# KiCad board Lotus58_Glow_125.kicad_pcb (continued)
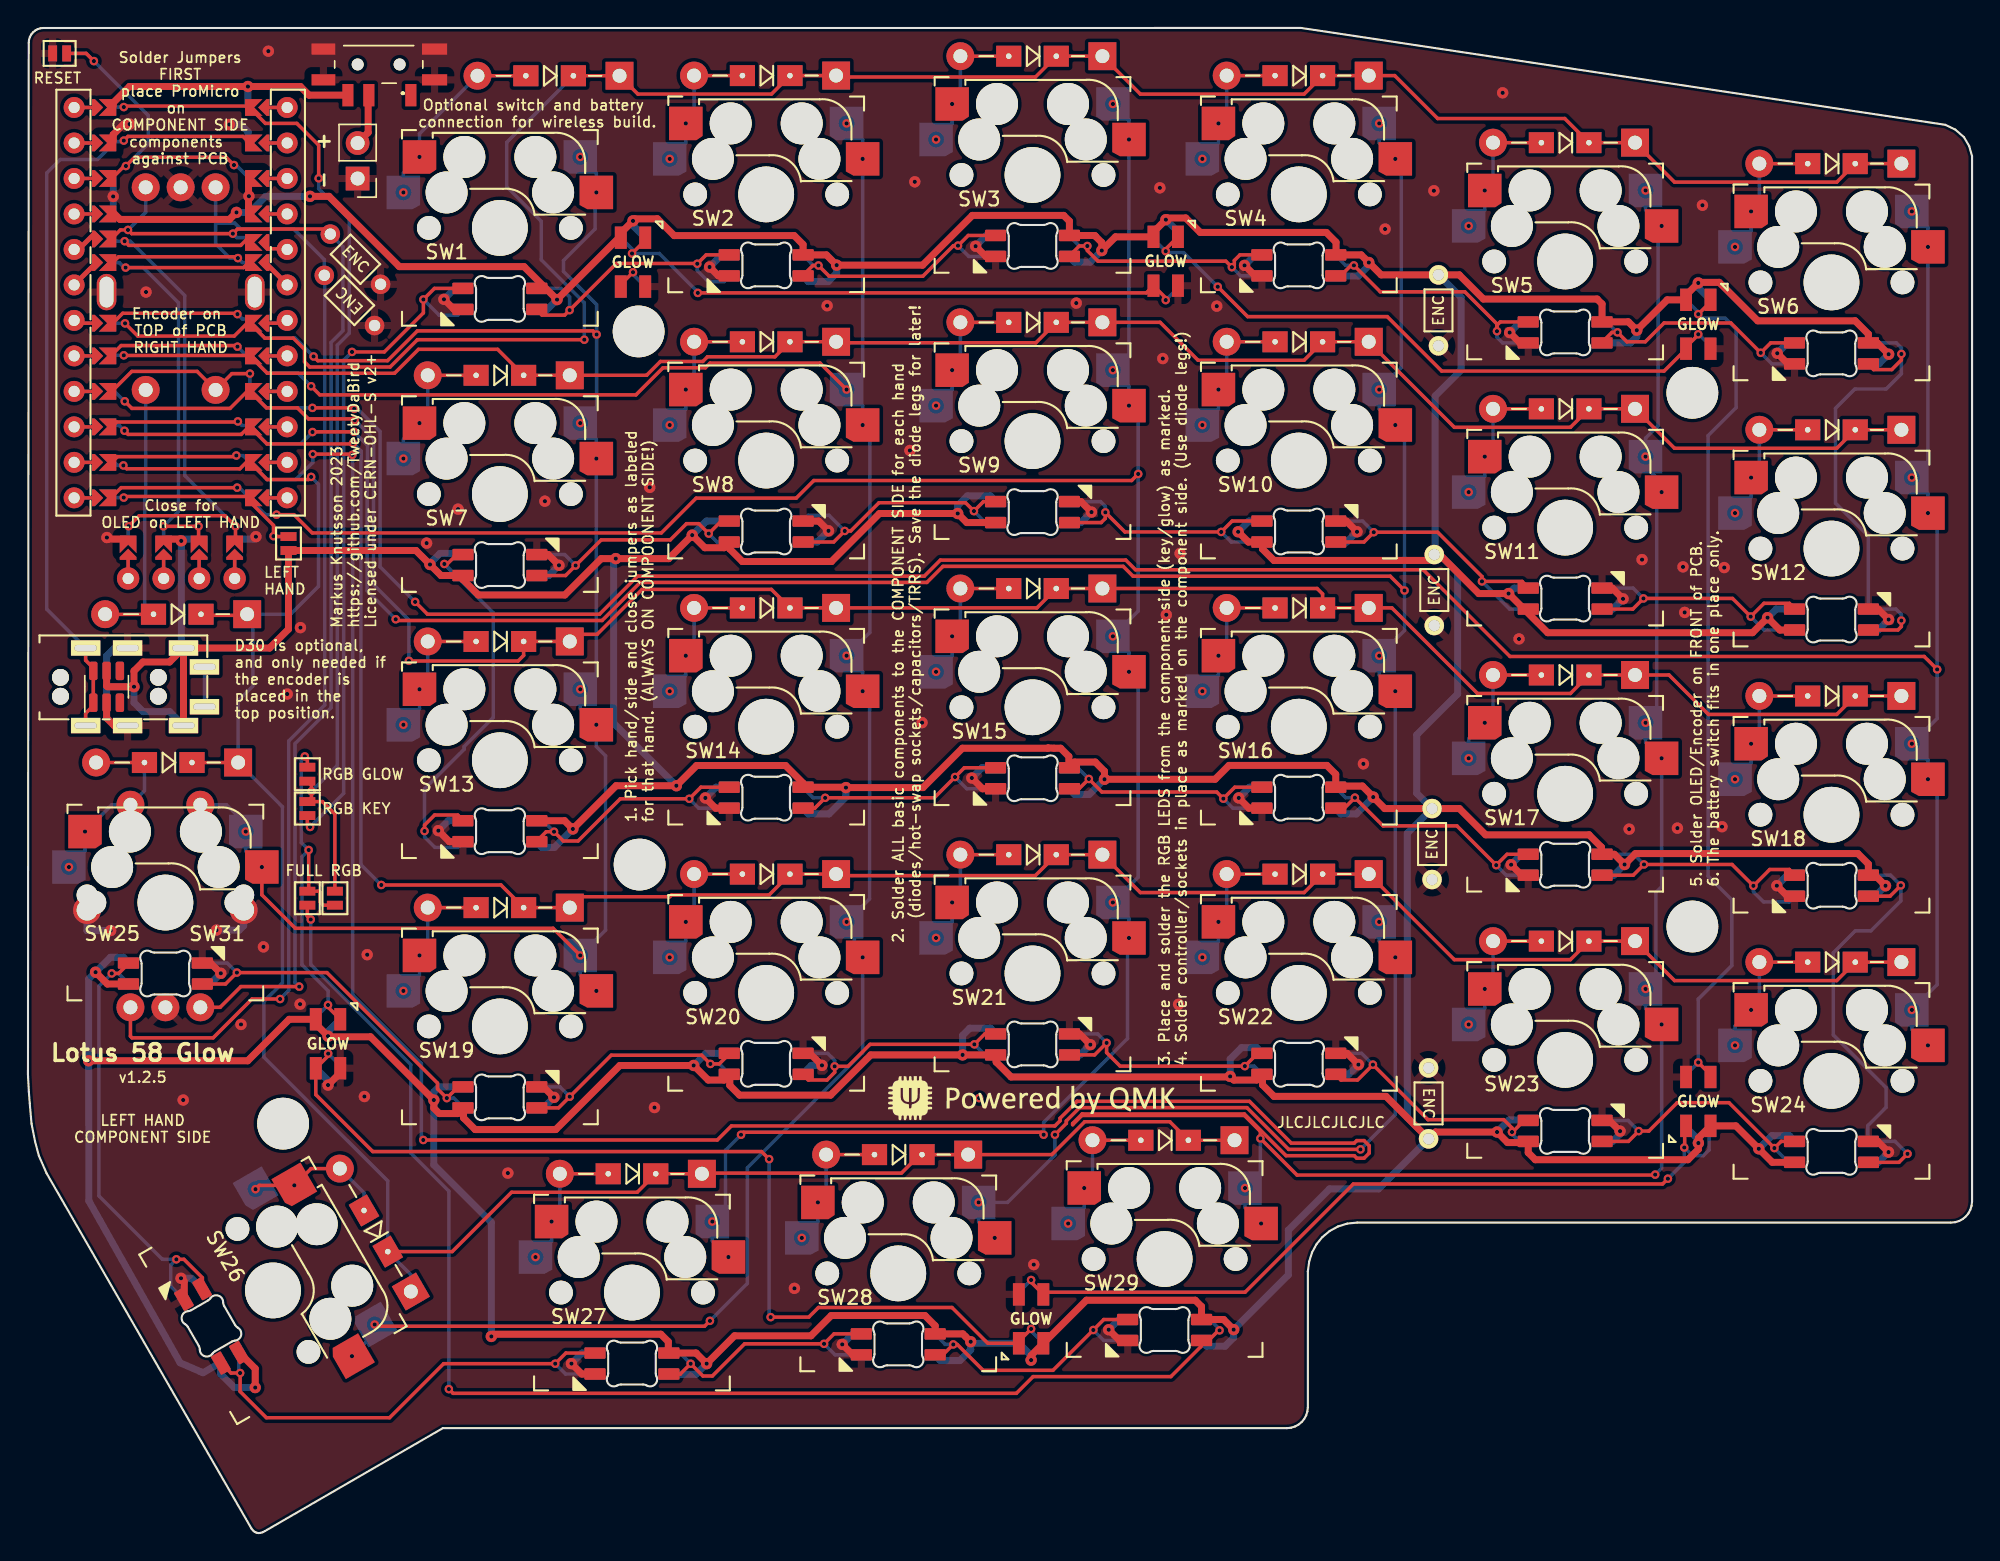
[diagram p0: board, top side]
## Routing (per net, layer and track width the routed paths; a pad name or vN(x,y) marks a point on that pad's centre or on a via; arc(x,y) is an arc through that point) (continued)
Net-(LED26-Pad2): length 35.9
  Top w0.25: 13.78,12.2 14.52,11.45 v1(15.17,11.45) 15.17,10.13 17.05,8.25 25.87,8.25 29.73,12.12 v1(37.72,12.12) 38.48,12.88 40.61,12.88
  Bottom w0.25: 40.61,11.38 38.46,11.38 v1(37.72,12.12) ; 15.08,12.95 15.08,11.55 v1(15.17,11.45)
Net-(LED27-Pad2): length 20.7
  Top w0.25: 45.81,11.37 46.66,11.37 v1(47.4,12.12) 48.28,11.24 48.96,11.24 51.26,13.54 v1(56.95,13.54) 57.66,14.26 59.65,14.26
  Bottom w0.25: v1(56.95,13.54) 57.73,12.76 59.65,12.76 ; 45.81,12.88 46.64,12.88 v1(47.4,12.12)
Net-(LED28-Pad2): length 20.3
  Top w0.25: 78.7,15.28 76.95,15.28 v1(76.2,14.53) 73.32,11.65 68.32,11.65 66.47,13.5 v1(66.19,13.5) 65.44,12.76
  Bottom w0.25: v1(66.19,13.5) 65.61,13.5 64.85,14.26 ; 78.7,13.78 76.96,13.78 v1(76.2,14.53)
Net-(LED30-Pad1): length 71.9
  Top w0.25: LED31.3 68.65,13.58 66.1,16.14 56.54,16.14 55.85,15.45 v1(53.12,15.45) ; v1(21.47,34.32) 21.47,34.16 LED30.1 20.59,31.38 24.67,27.3 52.48,27.3 v1(53.02,26.76) ; 70.88,13.74 v1(71.75,14.61)
  Bottom w0.25: v1(53.12,15.45) 53.02,15.56 v1(53.02,26.76) ; v1(71.75,14.61) 71.75,14.46 LED31.3 ; 22.34,33.45 v1(21.47,34.32)
Net-(LED31-Pad1): length 58.7
  Top w0.25: 72.78,17.24 87.06,17.24 94.81,24.98 116.92,24.98 v1(117.3,25.36) ; v1(118.48,27.59) 118.51,27.62 118.51,29.14 ; v1(71.75,18.11) 71.75,17.96 LED31.1
  Bottom w0.25: 70.88,17.24 v1(71.75,18.11) ; 120.26,29.14 120.26,27.42 119.85,27.01 119.05,27.01 v1(118.48,27.59) 118.48,26.53 v1(117.3,25.36)
Net-(LED32-Pad1): length 63.3
  Top w0.25: 120.35,88.12 v1(119.48,87.24) ; 120.26,32.9 v1(119.48,33.68)
  Bottom w0.25: 118.51,32.71 v1(119.48,33.68) 119.48,38.21 121.88,40.61 121.88,45.32 120.17,47.02 120.17,78.54 122.19,80.55 122.19,86.17 121.41,86.95 119.76,86.95 v1(119.48,87.24) 119.48,87.39 LED33.3
Net-(LED33-Pad1): length 46.6
  Top w0.25: 118.63,84.77 117.03,83.17 101.13,83.17 97.23,87.06 87.24,87.06 v1(85.11,89.2) ; LED34.3 81.38,91.9 v1(81.38,91.75) ; 118.63,84.92 119.48,85.77 v1(119.48,85.8)
  Bottom w0.25: 120.38,84.93 119.51,85.8 v1(119.48,85.8) ; 80.51,92.62 v1(81.38,91.75) 81.48,91.65 82.66,91.65 v1(85.11,89.2)
Net-(LED34-Pad1): length 44.1
  Top w0.25: v1(47.92,88.76) 80,88.76 LED34.1 81.38,88.4 v1(81.38,88.25) ; 44.15,92.53 v1(43.21,91.58)
  Bottom w0.25: 82.26,89.12 v1(81.38,88.25) ; v1(47.92,88.76) 47.92,88.82 45.16,91.58 v1(43.21,91.58) 43.21,91.91 LED35.3
unconnected-(J1-PadS): length 2.9
  Bottom w0.25: J1.S J1.S
unconnected-(LED35-Pad1): length 2.6
  Top w0.25: 42.4,89.37 v1(43.28,90.24)
  Bottom w0.25: LED35.1 43.28,90.09 v1(43.28,90.24)

## Copper pours and planes (outline as drawn; the poured copper is in the pictures)
GND on Top, Bottom: -8.1,109.08 141.38,109.19 141.52,19.72 93.26,19.71 93.26,6.11 31.26,5.96 15.11,-1.92 -1.45,21.96 -7.96,40.31

## Text on the board
B.Silkscreen: RIGHT / HAND | Do NOT solder / TRRS if building a / wireless keyboard | v1.2.5 | RIGHT HAND / COMPONENT SIDE | Solder Jumpers / FIRST / place ProMicro / on / COMPONENT SIDE / components / against PCB | Encoder on / TOP of PCB / LEFT HAND | Close for / OLED on RIGHT HAND | Markus Knutsson 2023 / https://github.com/TweetyDaBird / Licensed under CERN-OHL-S v2+ | Underglow RGB's are placed with the visible marking matching the notch on its face. / Per key RGB's are placed face down, with the notched corner at the VISIBLE marking as they are soldered. | Resistors and capacitors can be placed in either direction. / Diodes must be placed with the stripe on the body at the line/side where arrow is pointing. | Even if you do not socket the controller as recommended, / Pretty please! Do NOT use pins supplied with ProMicro! | Using FULL RGB is only / recommended for advanced / users, firmware changes / are neccesary! | RGB capactitors are optional and only / needed if battery operated (or RGB unstable) | -  + | Lotus 58 Glow
F.Silkscreen: D30 is optional, / and only needed if / the encoder is / placed in the / top position. | LEFT / HAND | v1.2.5 | LEFT HAND / COMPONENT SIDE | Solder Jumpers / FIRST / place ProMicro / on / COMPONENT SIDE / components / against PCB | Encoder on / TOP of PCB / RIGHT HAND | Close for / OLED on LEFT HAND | FULL RGB | RGB KEY | RGB GLOW | Optional switch and battery / connection for wireless build. | JLCJLCJLCJLC | Markus Knutsson 2023 / https://github.com/TweetyDaBird / Licensed under CERN-OHL-S v2+ | 1. Pick hand/side and close jumpers as labeled / for that hand. (ALWAYS ON COMPOONENT SIDE!) | 2. Solder ALL basic components to the COMPONENT SIDE for each hand / (diodes/hot-swap sockets/capacitors/TRRS). Save the diode legs for later! | 3. Place and solder the RGB LEDS from the component side (key/glow) as marked. / 4. Solder controller/sockets in place as marked on the component side. (Use diode legs!) | 5. Solder OLED/Encoder on FRONT of PCB. / 6. The battery switch fits in one place only. | -  + | Lotus 58 Glow
